# Altium PCB Test.PcbDoc (part 3 of 7) (continued)
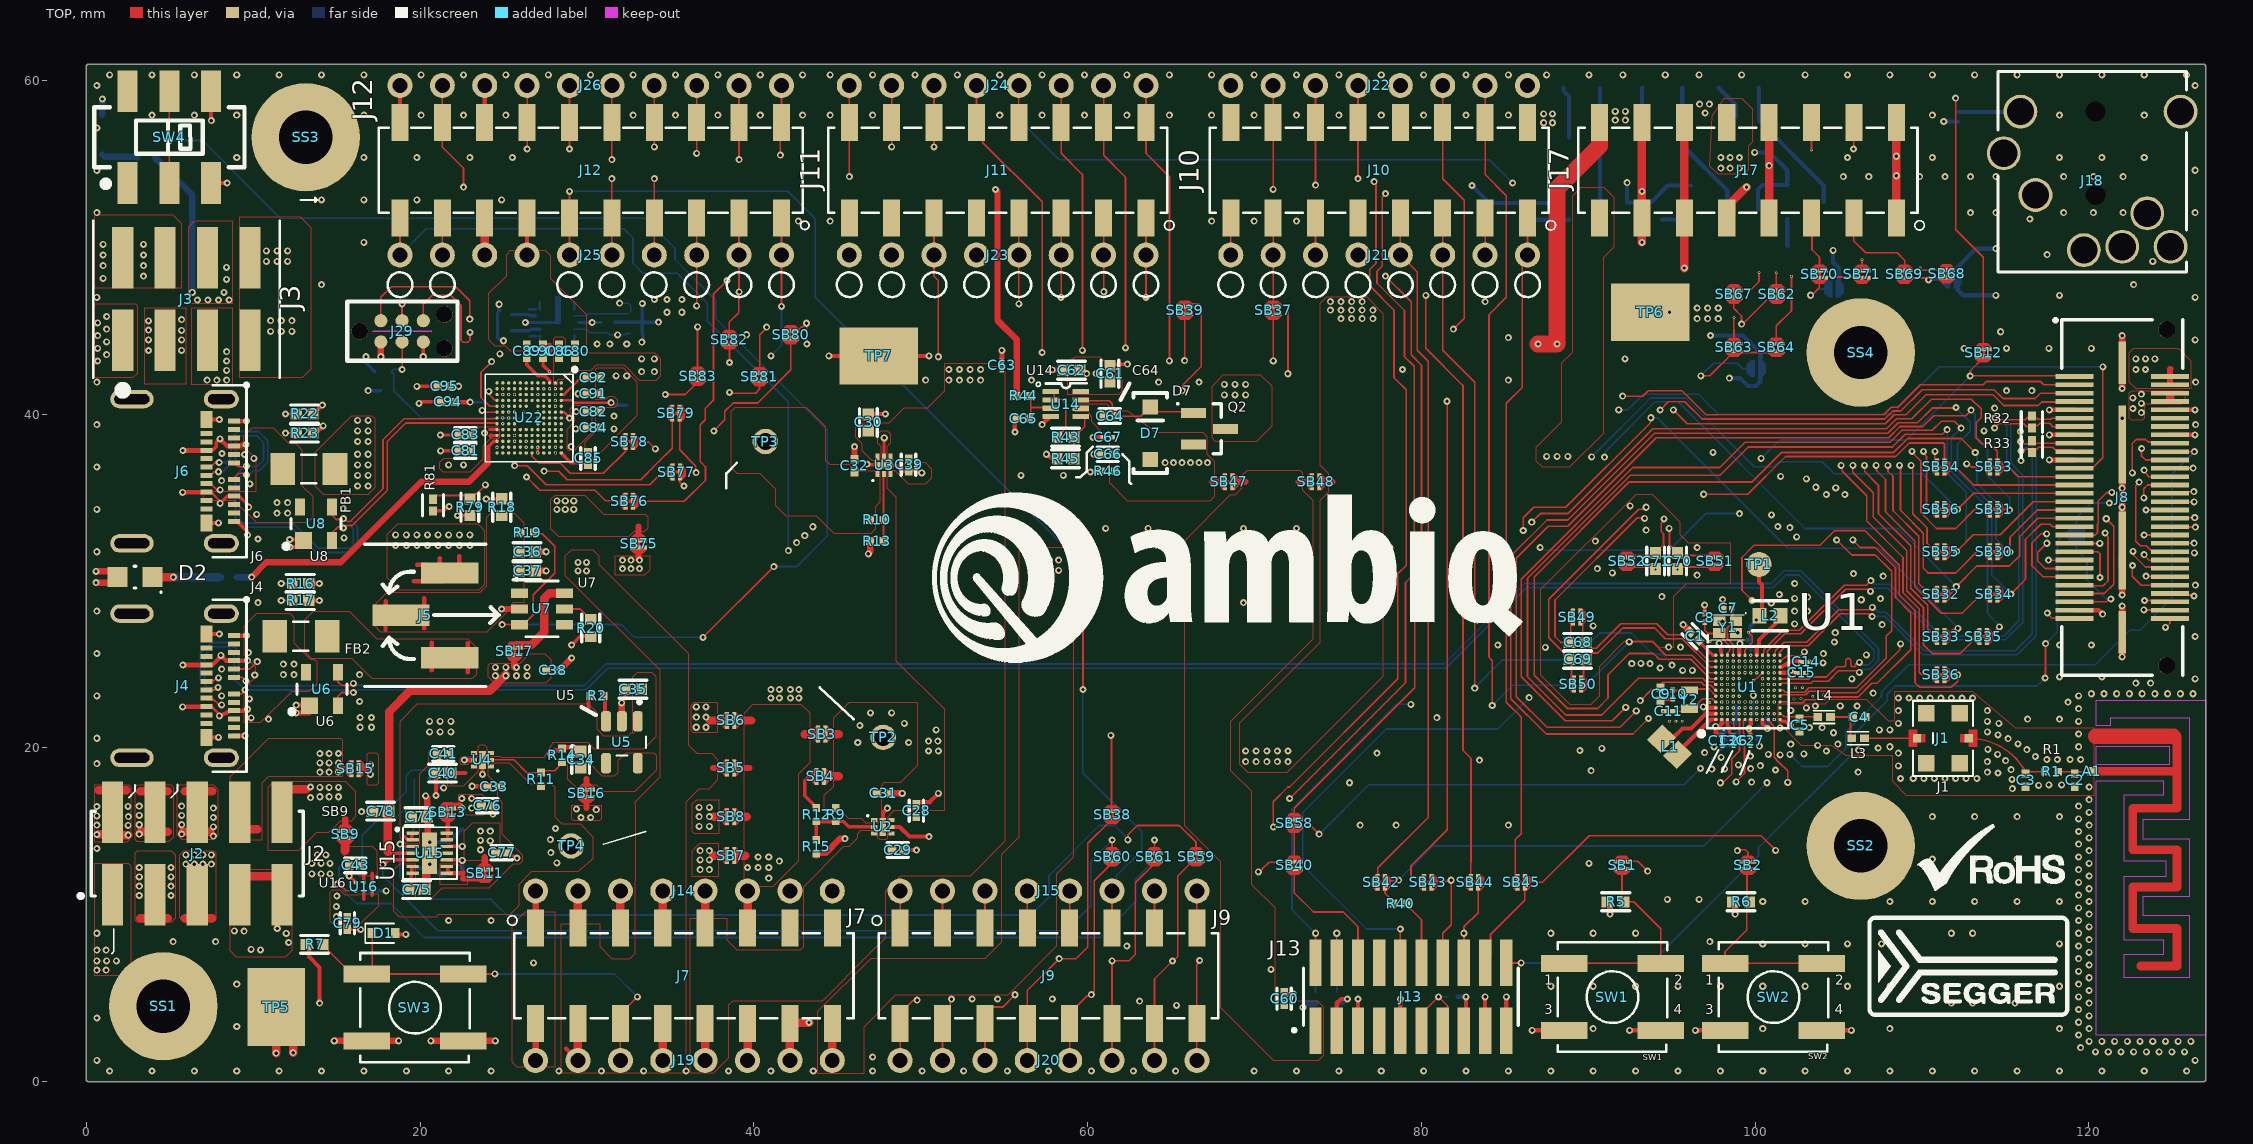
[diagram p0: TOP view]
## Nets (pads, with @x,y where several pads share a name; then routed paths per layer and width w, separated by ;. In a path a pad name is that pad's centre, name@x,y a point inside that pad or via, vN(x,y) a via of type N, cw(c..) or ccw(c..) an arc to the next point about the centre after c; other vN are vias at no path point) (continued)
  LY6 - SIG w0.089: v1(26.416,55.88) 27.715,57.179 46.326,57.179 48.006,55.499 51.816,55.499 52.799,56.482 52.875,56.482 52.888,56.496 100.274,56.496 100.287,56.482 100.363,56.482 110.528,46.317 110.528,38.646 110.118,38.236 110.118,37.778 v1@110.085,37.745
  other v1: 110.089,37.763
HDR_MSPI01_32KXT_CTS0_DISPD1_GP65: J12.12 J26.6 SB55.2 | length 105.9
  TOP w0.102: v1(28.956,55.88) J12.12@28.956,57.468 J26.6@28.956,59.69 ; v1(109.347,36.926) 109.347,36.839 109.453,36.733 109.453,34.027 110.302,33.178 110.302,32.271 SB55.2@110.799,31.774
  LY6 - SIG w0.089: v1(28.956,55.88) 32.512,55.88 32.869,55.523 34.264,55.523 35.362,56.622 45.868,56.622 47.498,54.991 52.07,54.991 53.114,56.035 95.93,56.035 104.467,47.498 107.761,47.498 109.906,45.353 109.906,39.294 108.656,38.044 108.656,37.682 109.347,36.991 v1(109.347,36.926)
HDR_MSPI02_CKO_TX0_DISPD2_GP66: J12.10 J26.5 SB30.2 | length 105.5
  TOP w0.102: v1(31.496,55.245) J12.10@31.496,57.468 J26.5@31.496,59.69 ; v1(108.649,36.926) 108.707,36.868 108.707,34.232 110.071,32.868 110.071,30.772 110.363,30.48 112.014,30.48 113.284,31.75 113.944,31.75
  LY6 - SIG w0.089: v1(31.496,55.245) 34.671,55.245 35.742,56.316 45.665,56.316 47.244,54.737 52.197,54.737 53.245,55.785 94.479,55.785 102.69,47.573 102.69,41.984 104.688,39.986 105.589,39.986 v1(108.649,36.926)
HDR_MSPI03_CKO_TX2_DISPD3_GP67: J12.8 J26.4 SB31.2 | length 103.3
  TOP w0.102: v1(34.036,56.007) J12.8@34.036,57.468 J26.4@34.036,59.69 ; v1@109.399,37.709 109.938,37.169 109.938,34.08 110.871,33.147 110.913,33.147 112.014,33.147 113.157,34.29 SB31.2@114.08,34.29
  LY6 - SIG w0.089: v1(34.036,56.007) 34.921,56.892 46.105,56.892 47.752,55.245 51.943,55.245 52.978,56.28 100.184,56.28 110.274,46.19 110.274,39.154 109.399,38.279 v1@109.399,37.709
  other v1: 109.399,37.763
HDR_MSPI04_SWO_RX0_DISPD4_GP68: J12.6 J26.3 SB32.2 | length 96.7
  TOP w0.102: v1(36.576,55.626) J12.6@36.576,57.468 J26.3@36.576,59.69 ; v1@107.902,36.926 107.963,36.865 107.963,36.563 108.261,36.265 108.261,34.221 109.808,32.674 109.808,29.851 110.195,29.464 110.769,29.464 110.769,29.21
  LY6 - SIG w0.089: v1(36.576,55.626) 36.93,55.98 45.493,55.98 46.99,54.483 52.324,54.483 53.34,55.499 94.234,55.499 101.987,47.746 102.413,47.32 102.413,41.859 104.648,39.624 105.204,39.624 v1@107.902,36.926
  other v1: 107.95,36.926
HDR_MSPI05_32KXT_SWO_RX2_DISPD5_GP69: J12.4 J26.2 SB33.2 | length 95.6
  TOP w0.102: v1(39.116,55.245) J12.4@39.116,57.468 J26.2@39.116,59.69 ; v1@106.524,36.926 106.566,36.884 106.566,36.563 107.387,35.742 107.387,34.045 109.324,32.108 109.324,29.553 110.338,28.539 110.338,27.102 110.769,26.67 SB33.2@110.905,26.67
  LY6 - SIG w0.089: v1(39.116,55.245) 39.123,55.245 39.326,55.042 45.558,55.042 46.626,53.975 52.578,53.975 53.594,54.991 93.678,54.991 101.852,46.817 101.852,41.564 104.652,38.765 104.795,38.765 106.553,37.006 v1(106.553,36.926)
HDR_MSPI06_32KXT_SWTR0_RTS0_DISPD6_GP70: J12.2 J26.1 SB34.2 | length 95.3
  TOP w0.102: v1(41.587,55.511) 41.587,57.398 J12.2@41.656,57.468 J26.1@41.656,59.69 ; v1@107.213,36.926 107.275,36.865 107.275,36.616 107.81,36.081 107.81,34.153 109.565,32.398 109.565,29.663 111.162,28.067 112.395,28.067 113.538,29.21 113.944,29.21
  LY6 - SIG w0.089: v1(41.587,55.511) 45.54,55.511 46.822,54.229 52.451,54.229 53.467,55.245 93.977,55.245 102.147,47.075 102.147,41.727 104.673,39.201 104.938,39.201 v1@107.213,36.926
  other v1: 107.252,36.926
HDR_MSPI07_CKO_SWTR1_CTS0_DISPD7_GP71: J11.16 J24.8 SB35.2 | length 93.3
  TOP w0.102: v1(45.72,54.229) J11.16@45.72,57.468 J24.8@45.72,59.69 ; v1@105.835,36.926 105.855,36.906 105.855,36.512 107.086,35.281 107.086,33.833 109.093,31.826 109.093,29.413 110.084,28.423 110.084,26.187 110.617,25.654 112.293,25.654 113.309,26.67 SB35.2@113.445,26.67
  LY6 - SIG w0.089: v1(45.72,54.229) 46.228,53.721 52.705,53.721 53.721,54.737 93.472,54.737 101.559,46.65 101.559,41.202 v1@105.835,36.926
  other v1: 105.855,36.926
HDR_MSPI08_CKO_SWTR2_TX0_DISPD8_GP72: J11.14 J24.7 SB53.2 | length 82.9
  TOP w0.102: v1(48.26,56.007) J11.14@48.26,57.468 J24.7@48.26,59.69 ; v1(112.673,37.02) 112.76,37.02 112.95,36.83 SB53.2@114.08,36.83
  LY6 - SIG w0.089: v1(48.26,56.007) 49.236,56.983 100.624,56.983 111.042,46.565 111.042,38.651 v1(112.673,37.02)
HDR_MSPI09_SWTR3_TX2_DISPD9_GP73: J11.12 J24.6 SB54.2 | length 77.9
  TOP w0.102: v1(50.8,56.007) J11.12@50.8,57.468 J24.6@50.8,59.69 ; 110.769,36.83 110.76,36.84 110.76,37.712 v1@110.778,37.731
  LY6 - SIG w0.089: v1(50.8,56.007) 51.541,56.748 100.478,56.748 110.793,46.433 110.793,37.745 v1@110.778,37.731
  other v1: 110.778,37.763
HDR_MSPI10_32KXT_RX2_DISPD15_GP37: J10.10 J22.5 SB36.2 | length 60.6
  TOP w0.102: v1(76.2,54.102) J10.10@76.2,57.468 J22.5@76.2,59.69 ; v1@105.157,36.936 105.212,36.881 105.212,36.573 106.68,35.105 106.68,33.591 108.864,31.406 108.864,29.286 109.83,28.321 109.83,24.536 109.982,24.384 110.769,24.384
  LY6 - SIG w0.089: v1(76.2,54.102) 76.581,54.483 93.245,54.483 101.255,46.473 101.255,40.838 v1@105.157,36.936
  other v1: 105.157,36.926
HDR_MSPI11_SWTRCK_RTS0_DISPD16_GP38: J10.11 J21.6 SB12.2 | length 60.3
  TOP w0.102: J21.6@73.66,49.53 J10.11@73.66,51.752 ; v1(112.014,58.928) 112.014,51.054 113.665,49.403 SB12.2@113.665,43.885
  LY3 - SIG w0.089: J21.6@73.66,49.53 73.66,49.707 78.69,54.737 89.408,54.737 91.55,56.879 98.154,56.879 100.203,58.928 v1(112.014,58.928)
HDR_MSPI29_SDIFCMD_GP83: J8.55 SB10.2 | length 6.9
  TOP w0.102: J8.55@119.131,28.748 121.057,28.748 121.227,28.918 v1(121.314,28.918)
  BOTTOM w0.102: SB10.2@119.253,32.546 119.253,31.877 119.888,31.242 119.888,30.068 121.021,28.935 121.297,28.935 v1(121.314,28.918)
HDR_SWO_VCO_IS20CK_DSPTDO_GP28: J10.15 J21.8 SB58.2 | length 48.5
  TOP w0.102: J21.8@68.58,49.53 J10.15@68.58,51.752 ; 72.39,15.85 72.39,16.383 79.603,23.596 79.603,29.431 80.01,29.838 80.01,42.926 79.388,43.548 79.388,46.723 v1(77.851,48.26)
  LY6 - SIG w0.089: J21.8@68.58,49.53 69.596,48.514 77.597,48.514 v1(77.851,48.26)
HDR_TRC0_SSDA_SMOSI_TX23_VCO_GP1: J10.6 J22.3 SB43.2 | length 50.2
  TOP w0.102: 80.035,11.938 79.502,11.938 79.375,12.065 79.375,12.927 81.544,15.096 81.544,40.757 v1(81.534,40.767) ; J22.3@81.28,59.69 J10.6@81.28,57.468 81.28,54.102 82.562,52.82 82.562,45.732 v1(81.915,45.085)
  LY6 - SIG w0.089: v1(81.534,40.767) 81.915,41.148 v1(81.915,45.085)
HDR_TRC1_SMISO_TRIG1_RX01_VCO_GP2: J10.3 J21.2 SB44.2 | length 43.1
  TOP w0.102: v1(80.264,47.117) 80.264,43.942 82.499,41.707 82.499,19.863 82.977,19.385 82.977,13.127 82.965,13.115 SB44.2@82.965,11.938 ; J21.2@83.82,49.53 J10.3@83.82,51.752
  LY6 - SIG w0.089: v1(80.264,47.117) 81.407,47.117 J21.2@83.82,49.53
HDR_TRC2_SCEn_SWO_RX23_GP3: J10.1 J21.1 SB45.2 | length 40.9
  TOP w0.102: 85.623,11.938 85.623,14.503 85.979,14.859 85.979,21.844 85.09,22.733 85.09,40.64 86.042,41.592 86.042,48.834 86.36,49.152 J10.1@86.36,51.752
HDR_TRCLK_SSCL_SSCK_TX01_VCO_GP0: J10.7 J21.4 SB42.2 | length 41.7
  TOP w0.102: SB42.2@77.388,11.973 77.388,12.809 80.404,15.825 80.404,43.167 79.756,43.815 79.756,48.514 J21.4@78.74,49.53 J10.7@78.74,51.752
LPMICBIAS: C23.1 J17.11 J17.12 U1.B10 | length 38.7
  TOP w0.508: v1(95.754,48.751) 95.758,48.755 J17.12@95.758,57.468
  LY3 - SIG w0.203: v5(97.618,24.847) v2(97.993,24.847)
  LY6 - SIG w0.254: v5(97.618,24.847) v7(98.006,24.587)
  LY6 - SIG w0.381: v1(95.754,48.751) 95.106,48.751 92.927,46.572 92.927,36.285 91.821,35.179 91.821,33.274 93.218,31.877 93.218,28.702 95.276,26.645 95.758,26.645 96.19,26.213 96.19,25.485 96.96,24.714 97.474,24.714 97.607,24.847 v5(97.618,24.847)
M0MISO_I2S0WS_CTS23_GP7: J8.48 U1.J6 | length 29.7
  TOP w0.102: v1(122.64,31.776) 122.703,31.712 122.703,31.524 123.394,30.833 124.777,30.833 J8.48@124.861,30.749
  LY3 - SIG w0.089: v4(104.115,23.165) 104.363,23.165 104.592,23.394 104.592,23.693 104.902,24.003 105.27,24.003 105.623,23.649 106.074,23.649 107.4,24.975 109.986,24.975 111.299,26.289 112.2,26.289 114.232,28.321 116.332,28.321 119.787,31.776 v1(122.64,31.776)
  LY4 - GND w0.076: v4(100.443,23.447) 100.713,23.246 100.838,22.987 101.244,22.581 101.714,22.581 102.032,22.898 102.032,22.997 102.199,23.165 v4(104.115,23.165)
M0SCL_M0SCK_I2S0CK_RTS23_GP5: J8.26 U1.H4 | length 95.9
  TOP w0.102: v1(123.314,36.637) 123.314,36.551 123.459,36.406 123.459,36.39 123.531,36.319 123.531,36.31 123.59,36.251 J8.26@124.861,36.251
  LY3 - SIG w0.089: v1(78.105,32.004) v1(87.122,32.004)
  LY4 - GND w0.076: v4(100.093,22.747) 100.254,22.586 100.254,22.098 101.117,21.234 101.117,20.98 101.321,20.777 102.035,20.777 102.856,19.956 102.856,19.701 v1(102.922,19.635)
  LY6 - SIG w0.089: v1(78.105,32.004) 78.105,21.428 82.636,16.898 88.132,16.898 90.519,14.51 100.302,14.51 102.922,17.13 v1(102.922,19.635) ; v1(99.06,34.036) 99.504,34.48 106.789,34.48 108.297,35.987 119.066,35.987 120.136,37.057 122.894,37.057 v1(123.314,36.637)
  BOTTOM w0.102: v1(87.122,32.004) 87.185,32.004 87.342,31.848 94.845,31.848 97.033,34.036 v1(99.06,34.036)
M0SDA_M0MOSI_I2S0DAT_CTS01_I2S0DOUT_GP6: J8.28 U1.J5 | length 35.7
  TOP w0.102: v1(123.292,34.976) 123.292,35.535 123.51,35.753 J8.28@124.861,35.753
  LY3 - SIG w0.089: v4(102.324,22.924) 102.659,23.259 102.958,23.259 103.855,24.156 104.471,24.156 106.273,25.958 106.273,27.585 105.853,28.005 105.853,30.398 v1(105.895,30.44)
  LY4 - GND w0.076: v4(100.443,23.097) 101.137,22.403 101.752,22.403 102.273,22.924 v4(102.324,22.924)
  LY6 - SIG w0.089: v1(105.895,30.44) 105.895,30.463 106.29,30.858 106.754,30.858 107.18,31.285 114.138,31.285 114.634,30.789 117.911,30.789 118.872,31.75 121.158,31.75 122.847,33.439 123.406,33.439 123.885,33.918 123.885,34.535 123.508,34.912 123.355,34.912 v1(123.292,34.976)
M2MISO_DSPTCK_I2S0DIN_GP27: J8.50 U1.M5 | length 27.4
  TOP w0.076: U1.M5@101.493,23.097 101.516,23.097 101.6,23.181 103.039,23.181 103.251,23.393 104.318,23.393 104.406,23.306
  TOP w0.102: 104.406,23.306 106.103,23.306 108.662,25.864 108.662,26.174 v1(108.715,26.228) ; v1(123.423,30.286) 123.443,30.266 124.841,30.266 J8.50@124.861,30.246
  LY6 - SIG w0.089: v1(108.715,26.228) 111.338,28.85 112.538,28.85 113.638,29.95 119.357,29.95 119.461,29.95 120.208,30.697 120.941,30.697 121.854,29.784 122.831,29.784 123.333,30.286 v1(123.423,30.286)
M2SCL_M2SCK_DSPTMS_GP25: J8.58 U1.K5 | length 29.2
  TOP w0.102: v1(123.294,28.266) 123.304,28.255 124.851,28.255 J8.58@124.861,28.245
  LY3 - SIG w0.089: v2(100.793,23.097) 101.104,22.784 101.295,22.784 101.625,22.784 101.829,22.987 101.829,23.444 102.311,23.927 102.438,23.927 103.67,25.159 103.67,26.403 104.165,26.899 v1(104.8,26.899)
  LY6 - SIG w0.089: v1(104.8,26.899) 104.804,26.895 106.684,26.895 106.858,26.722 108.044,25.536 109.111,25.536 111.794,28.219 113.586,28.219 114.106,28.74 117.945,28.74 118.163,28.522 121.069,28.522 121.597,27.993 122.988,27.993 123.26,28.266 v1(123.294,28.266)
M2SDA_M2MOSI_DSPTCK_GP26: J8.60 U1.L5 | length 26.2
  TOP w0.102: v1(124.592,27.215) 124.861,27.485 J8.60@124.861,27.747
  LY2 - GND w0.076: v3(101.143,23.097) 101.329,22.911 101.854,22.911 102.108,23.165 102.54,23.165 v2(102.743,22.962)
  LY3 - SIG w0.076: v2(102.743,22.962) 102.746,22.962 102.864,22.843 104.225,22.843 104.364,22.982 105.049,22.982
  LY3 - SIG w0.089: 105.049,22.982 106.78,22.982 v1(107.07,23.272)
  LY6 - SIG w0.089: v1(107.07,23.272) 107.928,24.13 109.853,24.13 110.361,24.638 110.363,24.638 110.998,25.273 120.974,25.273 121.714,26.014 123.391,26.014 v1(124.592,27.215)
M3MISO_CKO_RX2_TE_GP33: J11.6 J24.3 U1.G3 | length 80.5
  TOP w0.102: J24.3@58.42,59.69 J11.6@58.42,57.468 58.42,55.626 59.69,54.356 v1(59.69,43.815)
  LY3 - SIG w0.089: v2(99.743,22.397) 99.743,21.542 99.949,21.336 99.949,21.284 99.95,21.283 99.95,21.008 99.949,21.007 99.949,20.574 99.847,20.472 99.847,19.964 100.128,19.683 100.128,19.215 100.318,19.026 v1(100.318,18.936)
  LY6 - SIG w0.089: v1(59.69,43.815) 60.96,43.815 61.298,43.477 64.178,43.477 64.388,43.687 71.461,43.687 81.153,33.995 81.153,23.241 84.582,19.812 88.11,19.812 91.548,16.375 99.179,16.375 100.248,17.444 100.248,18.132 100.318,18.202 100.318,18.745 v1(100.318,18.936)
M3SCL_M3SCK_TX2_GP31: J11.2 J24.1 U1.H2 | length 77
  TOP w0.102: J24.1@63.5,59.69 J11.2@63.5,57.468 63.5,55.626 64.904,54.222 v1(64.904,43.188)
  LY2 - GND w0.076: v3(100.093,22.047) 100.355,21.785 100.355,21.44 100.259,21.344 100.259,20.853 100.787,20.315 v1(100.787,19.609)
  LY6 - SIG w0.089: v1(64.904,43.188) 65.351,42.74 70.671,42.74 80.01,33.401 80.01,23.749 85.09,18.669 88.18,18.669 91.101,15.748 99.695,15.748 101.489,17.542 101.489,18.119 101.793,18.424 101.793,18.892 101.467,19.218 101.134,19.218 100.787,19.566 v1(100.787,19.609)
M3SDA_M3MOSI_RX0_GP32: J11.4 J24.2 U1.G2 | length 76.2
  TOP w0.102: J24.2@60.96,59.69 J11.4@60.96,57.468 60.96,55.499 62.269,54.19 v1(62.269,43.965)
  LY2 - GND w0.076: 99.383,19.647 99.47,19.735 99.47,20.748 99.294,20.924 99.294,21.505 99.309,21.52 v3(99.743,22.047)
  LY2 - GND w0.102: 99.383,19.647 99.383,19.101 v1(99.731,18.753)
  LY6 - SIG w0.076: v1@99.72,18.745 99.728,18.753 v1(99.731,18.753)
  LY6 - SIG w0.089: v1(62.269,43.965) 62.327,44.023 71.522,44.023 81.469,34.075 81.469,23.293 84.537,20.226 88.265,20.226 89.378,19.112 90.407,19.112 92.629,16.891 98.552,16.891 99.324,17.663 99.324,18.349 v1@99.72,18.745
M5MISO_I2S1WS_RTS01_GP49: J9.3 J12.3 J15.2 J25.2 SB82.2 U1.D1 | length 131.3
  TOP w0.102: SB82.2@38.532,44.67 38.566,44.704 v1@39.576,44.704 ; 38.532,44.806 38.532,45.517 39.094,46.079 39.094,47.297 v1(39.116,47.319) J25.2@39.116,49.53 J12.3@39.116,51.752 ; v1@39.569,44.75 v1(39.571,44.752) ; J9.3@51.308,9.207 J15.2@51.308,11.43 ; U1.D1@98.693,21.697 98.755,21.234 v3(98.755,21.178)
  LY2 - GND w0.076: 98.374,19.431 99.009,20.066 99.009,20.32 98.755,20.574 v3(98.755,21.178)
  LY2 - GND w0.102: v1(97.968,19.431) 98.374,19.431
  LY6 - SIG w0.089: v1(39.116,47.319) 54.419,47.32 55.983,45.756 72.458,45.756 83.185,35.029 83.185,25.197 86.284,22.098 90.424,22.098 93.251,19.271 97.749,19.271 97.91,19.431 v1(97.968,19.431) ; v1(39.571,44.752) 40.254,44.069 41.233,44.069 43.942,41.36 43.942,36.83 40.64,33.528 40.64,30.681 49.892,21.429 49.892,17.037 51.308,15.621 J15.2@51.308,11.43
M5SCL_M5SCK_I2S1CK_RX01_GP47: J9.5 J12.5 J15.3 J25.3 SB80.2 U1.F1 | length 135.8
  TOP w0.102: v1(36.576,46.482) J25.3@36.576,49.53 J12.5@36.576,51.752 ; 42.215,45.11 42.74,45.11 42.845,45.215 42.929,45.215 v1(43.155,45.441) 43.167,45.428 43.167,44.209 v1(43.18,44.196) ; J9.5@53.848,9.207 J15.3@53.848,11.43 ; v1(98.857,17.958) 99.363,18.464 99.363,20.814 99.281,20.897 99.281,21.585 U1.F1@99.393,21.697
  LY6 - SIG w0.089: v1(36.576,46.482) 37.77,46.482 38.063,46.188 40.629,46.188 41.224,45.593 42.936,45.593 43.089,45.441 v1(43.155,45.441) 43.383,45.669 52.883,45.669 53.859,44.693 71.881,44.693 82.169,34.405 82.169,23.368 84.582,20.955 89.036,20.955 92.846,17.145 98.326,17.145 98.846,17.666 98.846,17.947 v1(98.857,17.958) ; v1(43.18,44.196) 43.18,43.426 44.969,41.637 44.969,36.79 41.59,33.411 41.59,31.591 42.334,30.847 43.046,30.847 53.848,20.045 J15.3@53.848,11.43
M5SDA_M5MOSI_I2S1DAT_RX23_I2S1DOUT_GP48: J9.1 J12.1 J15.1 J25.1 U1.E1 | length 126.8
  TOP w0.102: v1(41.656,46.453) J25.1@41.656,49.53 J12.1@41.656,51.752 ; J9.1@48.768,9.207 J15.1@48.768,11.43 ; v1(97.917,17.907) 97.978,17.968 98.13,17.968 98.591,18.429 98.591,19.356 99.06,19.825 99.06,21.68 U1.E1@99.043,21.697
  LY6 - SIG w0.089: v1(41.032,43.485) 43.434,41.083 43.434,37.1 40.132,33.798 40.132,30.551 44.972,25.711 44.972,20.288 48.768,16.492 J15.1@48.768,11.43 ; v1(41.656,46.453) 53.186,46.453 54.436,45.202 55.427,45.202 72.193,45.202 82.677,34.718 82.677,25.07 86.157,21.59 89.916,21.59 93.599,17.907 v1(97.917,17.907)
  BOTTOM w0.102: v1(41.032,43.485) 41.656,44.11 v1(41.656,46.453)
M6MISO_CKO_I2S1WS_RX23_TE_GP63: J9.9 J12.9 J15.5 J25.5 U1.M6 | length 170.3
  TOP w0.076: U1.M6@101.493,23.447 101.699,23.447 101.803,23.343 102.972,23.343 103.226,23.597 103.962,23.597
  TOP w0.102: J25.5@31.496,49.53 J12.9@31.496,51.752 v1(31.496,54.102) ; J9.9@58.928,9.207 J15.5@58.928,11.43 ; v1(71.129,15.256) 71.129,16.773 72.009,17.653 72.096,17.653 78.59,24.147 78.59,30.428 79.09,30.928 79.09,41.452 78.359,42.183 78.359,46.228 76.899,47.688 76.899,48.666 77.278,49.045 77.278,53.826 v1(77.172,53.931) ; 103.962,23.597 106.07,23.597 107.855,25.381 107.855,26.697 108.179,27.021 108.179,30.571 107.191,31.559 105.781,31.559 v1(104.889,32.451)
  LY3 - SIG w0.089: J15.5@58.928,11.43 60.706,13.208 68.326,13.208 70.374,15.256 v1(71.129,15.256) ; v1(104.831,35.581) 104.86,35.552 104.86,32.479 v1(104.889,32.451)
  LY6 - SIG w0.089: v1(31.496,54.102) 32.198,54.804 34.477,54.804 35.809,53.472 52.837,53.472 53.848,54.483 74.422,54.483 75.272,53.633 76.874,53.633 77.47,54.229 83.947,54.229 84.836,53.34 91.573,53.34 92.43,52.483 94.481,52.483 100.721,46.243 100.721,40.242 104.831,36.132 v1(104.831,35.581)
M6SCL_M6SCK_I2S1CK_TX23_GP61: J9.11 J12.11 J15.6 J25.6 U1.K6 | length 170.6
  TOP w0.102: J25.6@28.956,49.53 J12.11@28.956,51.752 v1(28.956,53.34) ; v1(59.723,23.493) v1(59.723,30.979) ; J9.11@61.468,9.207 J15.6@61.468,11.43
  LY3 - SIG w0.089: v2(100.793,23.447) 101.171,23.447 101.448,23.597 101.702,23.597 102.231,24.126 102.382,24.126 103.505,25.249 103.505,26.67 104.394,27.559 104.394,30.734 103.064,32.065 103.064,33.03 101.529,34.564 v1(101.529,36.272)
  LY6 - SIG w0.089: v1(28.956,53.34) 29.688,52.608 73.248,52.608 74.041,51.816 90.932,51.816 91.534,51.214 94.174,51.214 99.679,45.709 99.705,45.683 99.764,40.869 99.779,40.819 99.779,38.657 101.529,36.906 v1(101.529,36.272)
  BOTTOM w0.089: v1(28.956,53.34) 42.037,53.34 43.688,51.689 43.688,47.014 v1(59.723,30.979)
  BOTTOM w0.102: v1@59.718,23.482 59.718,18.514 63.246,14.986 63.246,13.843 61.735,12.332 61.735,11.697 J15.6@61.468,11.43
M6SDA_M6MOSI_I2S1DAT_RX01_I2S1DOUT_GP62: J9.7 J12.7 J15.4 J25.4 U1.L6 | length 164.2
  TOP w0.102: J25.4@34.036,49.53 J12.7@34.036,51.752 v1(34.036,54.102) ; J9.7@56.388,9.207 J15.4@56.388,11.43 ; v1(72.109,16.966) 79.051,23.908 79.051,29.905 79.571,30.425 79.571,42.857 78.994,43.434 78.994,46.204 77.343,47.855 77.343,48.553 77.664,48.874 77.664,52.993 77.851,53.181 v1(77.851,53.213)
  LY2 - GND w0.076: v3(101.143,23.447) 101.268,23.571 102.033,23.57 102.26,23.343 102.591,23.343 v2(102.845,23.597)
  LY3 - SIG w0.089: 58.674,13.716 67.96,13.716 71.21,16.966 v1(72.109,16.966) ; v2(102.845,23.597) 103.674,24.426 104.418,24.426 105.816,25.823 105.816,26.505 105.816,26.684 105.816,27.254 105.156,27.915 105.156,31.115 104.267,32.004 v1(104.267,35.179)
  LY3 - SIG w0.102: J15.4@56.388,11.43 58.674,13.716
  LY6 - SIG w0.089: v1(34.036,54.102) 34.882,53.256 53.002,53.256 53.975,54.229 73.914,54.229 74.93,53.213 v1(77.851,53.213) 78.092,52.972 91.427,52.972 92.202,52.197 94.404,52.197 100.472,46.129 100.472,39.984 104.267,36.189 v1(104.267,35.179)
M7MISO_SWO_RTS01_GP24: J12.18 J26.9 U1.E2 | length 107.5
  TOP w0.102: J26.9@21.336,59.69 J12.18@21.336,57.468 21.336,56.007 22.606,54.737 v1(22.606,53.594)
  LY2 - GND w0.076: 98.892,19.66 99.162,19.929 99.162,20.472 98.989,20.645 98.989,21.433 98.908,21.514 98.908,21.912 v3(99.043,22.047)
  LY2 - GND w0.102: v1(98.171,18.745) 98.374,18.948 98.374,19.142 98.892,19.66
  LY6 - SIG w0.089: v1(22.606,53.594) 24.511,51.689 33.655,51.689 35.306,50.038 35.306,48.895 35.97,48.231 37.037,48.231 38.463,46.805 41.09,46.805 41.294,47.009 53.194,47.009 54.723,45.48 72.32,45.48 82.931,34.869 82.931,25.146 86.233,21.844 90.17,21.844 93.828,18.186 97.548,18.186 97.727,18.365 97.824,18.365 98.171,18.713 v1(98.171,18.745)
M7SCL_M7SCK_SWO_RX01_GP22: J9.15 J12.19 J15.8 J25.10 U1.F3 | length 118.7
  TOP w0.102: J25.10@18.796,49.53 J12.19@18.796,51.752 ; J9.15@66.548,9.207 J15.8@66.548,11.43
  LY3 - SIG w0.089: J15.8@66.548,11.43 68.103,11.43 70.124,13.451 71.155,13.451 73.579,15.875 87.482,15.875 90.174,18.567 v1@90.174,18.8 ; v2(99.393,22.397) 99.393,21.541 99.393,21.388 99.212,21.208 99.212,20.853 99.338,20.728 99.338,18.4 99.475,18.263 v1(99.789,17.949)
  LY6 - SIG w0.089: v1(42.074,31.819) 42.16,31.819 42.292,31.687 42.989,31.687 61.878,12.798 64.273,12.798 64.879,12.192 65.786,12.192 J15.8@66.548,11.43 ; v1(90.174,18.633) 92.17,16.637 98.704,16.637 99.748,17.681 99.748,17.909 v1(99.789,17.949)
  BOTTOM w0.102: J25.10@18.796,49.53 20.374,51.108 32.204,51.108 32.766,50.546 32.766,49.022 33.346,48.442 35.422,48.442 37.211,46.653 37.211,45.593 42.058,40.746 42.058,31.835 v1(42.074,31.819)
M7SDA_M7MOSI_SWO_RX23_GP23: J9.13 J12.17 J15.7 J25.9 U1.F2 | length 136.3
  TOP w0.102: J25.9@21.336,49.53 J12.17@21.336,51.752 ; J9.13@64.008,9.207 J15.7@64.008,11.43
  LY2 - GND w0.076: 98.958,19.474 99.314,19.83 99.314,20.625 99.141,20.798 99.141,21.796 v3(99.393,22.047)
  LY2 - GND w0.102: 98.958,19.474 98.958,19.02 v1(98.998,18.98)
  LY3 - SIG w0.089: J15.7@64.008,11.43 64.262,11.43 65.469,12.637 68.517,12.637 70.314,14.434 71.281,14.434 73.843,16.996 85.121,16.996 88.433,20.308 90.397,20.308 90.733,19.971 v1(90.813,19.971)
  LY6 - SIG w0.076: 98.825,18.751 98.998,18.924 v1(98.998,18.98)
  LY6 - SIG w0.089: J25.9@21.336,49.53 21.336,49.124 22.603,47.857 36.928,47.857 38.278,46.507 40.843,46.507 41.409,45.942 53.118,45.942 54.112,44.948 72.031,44.948 82.423,34.556 82.423,25.019 86.106,21.336 89.448,21.336 90.206,20.579 v1(90.813,19.971) 93.385,17.399 98.058,17.399 98.387,17.728 98.387,18.313 98.825,18.751
MIPI_CLK.MIPI_N: J8.13 R32.2 U1.J12 | length 37.1
  TOP w0.076: U1.J12@100.443,25.547 100.508,25.654 100.508,25.868 101.688,27.051 102.648,27.051 105.341,29.743 106.655,29.743 v1(106.929,30.018) ; v1(114.353,39.166) 114.608,39.421 116.083,39.421 116.274,39.23 116.586,39.23 116.649,39.294 116.916,39.294 117.081,39.459 117.64,39.459 117.846,39.253 J8.13@119.131,39.253
  BOTTOM w0.076: v1(106.929,30.018) 107.155,29.792 108.046,29.792 108.763,29.075 108.897,28.942 ; 108.897,28.941 108.971,28.867 109.038,28.8 ; 109.038,28.8 111.143,26.695 114.891,26.695 115.799,27.603 115.799,36.256 115.08,36.975 115.08,39.273 114.946,39.407 114.594,39.407 v1(114.353,39.166)
MIPI_CLK.MIPI_P: J8.11 R32.1 U1.K12 | length 37.2
  TOP w0.076: U1.K12@100.793,25.547 100.736,25.654 100.736,25.773 101.783,26.822 102.554,26.822 102.743,26.822 105.435,29.515 106.772,29.515 v1(106.915,29.372) ; v1(114.347,39.764) 114.462,39.649 116.18,39.649 116.345,39.814 116.586,39.814 116.649,39.751 116.915,39.751 116.979,39.688 117.7,39.688 117.769,39.756 J8.11@119.131,39.756
  BOTTOM w0.076: v1(106.915,29.372) 107.097,29.554 107.96,29.554 111.048,26.467 114.986,26.467 115.893,27.374 116.027,27.508 116.027,35.522 116.027,35.711 116.027,36.161 ; v1(114.347,39.764) 114.476,39.635 115.041,39.635 115.241,39.435 115.308,39.368 ; 115.309,39.368 115.309,39.086 115.308,37.07 115.893,36.485 116.027,36.351 ; 116.027,36.161 116.027,36.35
MIPI_D0.MIPI_N: J8.19 R33.2 U1.L12 | length 33.5
  TOP w0.076: U1.L12@101.143,25.547 101.219,25.623 101.219,25.806 101.752,26.34 103.087,26.34 105.017,28.27 106.806,28.27 v1(107.025,28.42) ; v1(115.929,37.786) 116.157,37.892 116.451,37.892 116.586,37.757 116.705,37.877 116.838,37.877 116.985,38.024 117.82,38.024 117.988,37.856 119.029,37.856 J8.19@119.131,37.755
  BOTTOM w0.076: v1(107.025,28.42) 107.413,28.122 107.832,28.122 110.147,25.806 115.595,25.806 116.611,26.823 116.611,35.28 116.612,35.469 116.612,35.953 116.612,36.593 116.611,37.694 116.336,37.969 116.112,37.969 v1(115.929,37.786)
MIPI_D0.MIPI_P: J8.17 R33.1 U1.M12 | length 33.6
  TOP w0.076: U1.M12@101.493,25.547 101.448,25.593 101.448,25.712 101.847,26.111 103.181,26.111 105.112,28.042 106.8,28.042 v1(107.011,27.872) ; v1(115.905,38.35) 116.155,38.207 116.451,38.207 116.586,38.341 116.675,38.252 J8.17@119.131,38.251
  BOTTOM w0.076: v1(107.011,27.872) 107.758,27.872 110.052,25.578 115.69,25.578 115.824,25.711 116.84,26.728 116.84,35.185 116.84,35.374 116.841,36.047 116.84,36.687 116.84,37.788 116.431,38.198 116.058,38.198 v1(115.905,38.35)
MSPI00_32KXT_RTS0_DISPD0_I2S1DIN_GP64: J8.29 SB56.1 U1.B6 | length 61.5
  TOP w0.102: SB56.1@111.345,34.275 112.12,34.275 v1(112.137,34.292) 113.095,35.25 J8.29@119.131,35.251
  LY2 - GND w0.076: v1(96.241,24.638) 96.571,24.638 97.333,23.876 97.485,23.876 97.815,23.546 v3(97.993,23.447)
  LY6 - SIG w0.089: v1(90.203,37.435) 89.471,36.703 88.198,36.703 85.09,33.595 85.09,29.083 90.079,24.094 93.482,24.094 95.696,24.093 v1(96.241,24.638)
  BOTTOM w0.102: v1(90.203,37.435) 90.211,37.435 93.735,40.959 95.826,40.959 99.942,36.842 101.155,36.842 101.45,37.137 104.031,37.137 104.752,36.416 110.013,36.416 v1(112.137,34.292)
MSPI01_32KXT_CTS0_DISPD1_GP65: J8.31 SB55.1 U1.A7 | length 64.9
  TOP w0.102: U1.A7@97.643,23.797 97.477,23.963 97.081,23.963 96.87,24.174 93.008,24.174 90.805,21.971 88.646,21.971 86.36,24.257 86.36,30.155 92.532,36.327 97.892,36.327 99.589,38.024 108.226,38.024 108.991,38.788 111.224,38.788 v1(111.506,39.07) ; 111.481,31.75 112.062,31.75 v1(112.075,31.764) 113.078,32.766 114.681,32.766 116.667,34.752 J8.31@119.131,34.751
  BOTTOM w0.102: v1(111.506,39.07) 111.506,36.449 112.649,35.306 112.649,32.337 v1(112.075,31.764)
MSPI02_CKO_TX0_DISPD2_GP66: J8.33 SB30.1 U1.A8 | length 63.7
  TOP w0.102: U1.A8@97.643,24.147 97.316,24.147 96.152,25.311 94.254,25.311 93.911,25.654 92.456,25.654 91.186,24.384 91.186,22.987 90.551,22.352 88.773,22.352 86.766,24.359 86.766,30.238 92.463,35.934 99.833,35.934 101.602,37.702 108.314,37.702 109.143,38.532 112.358,38.532 v1(113.19,37.7) ; SB30.1@114.52,31.74 115.264,31.74 v1(115.275,31.729) 115.275,32.623 116.901,34.249 J8.33@119.131,34.249
  BOTTOM w0.102: v1(113.19,37.7) 113.19,37.613 113.292,37.511 113.292,35.862 114.427,34.727 114.427,32.512 115.21,31.729 v1(115.275,31.729)